# EAGLE board working (EAGLE 9.6.2), part 2 of 28 (continued)
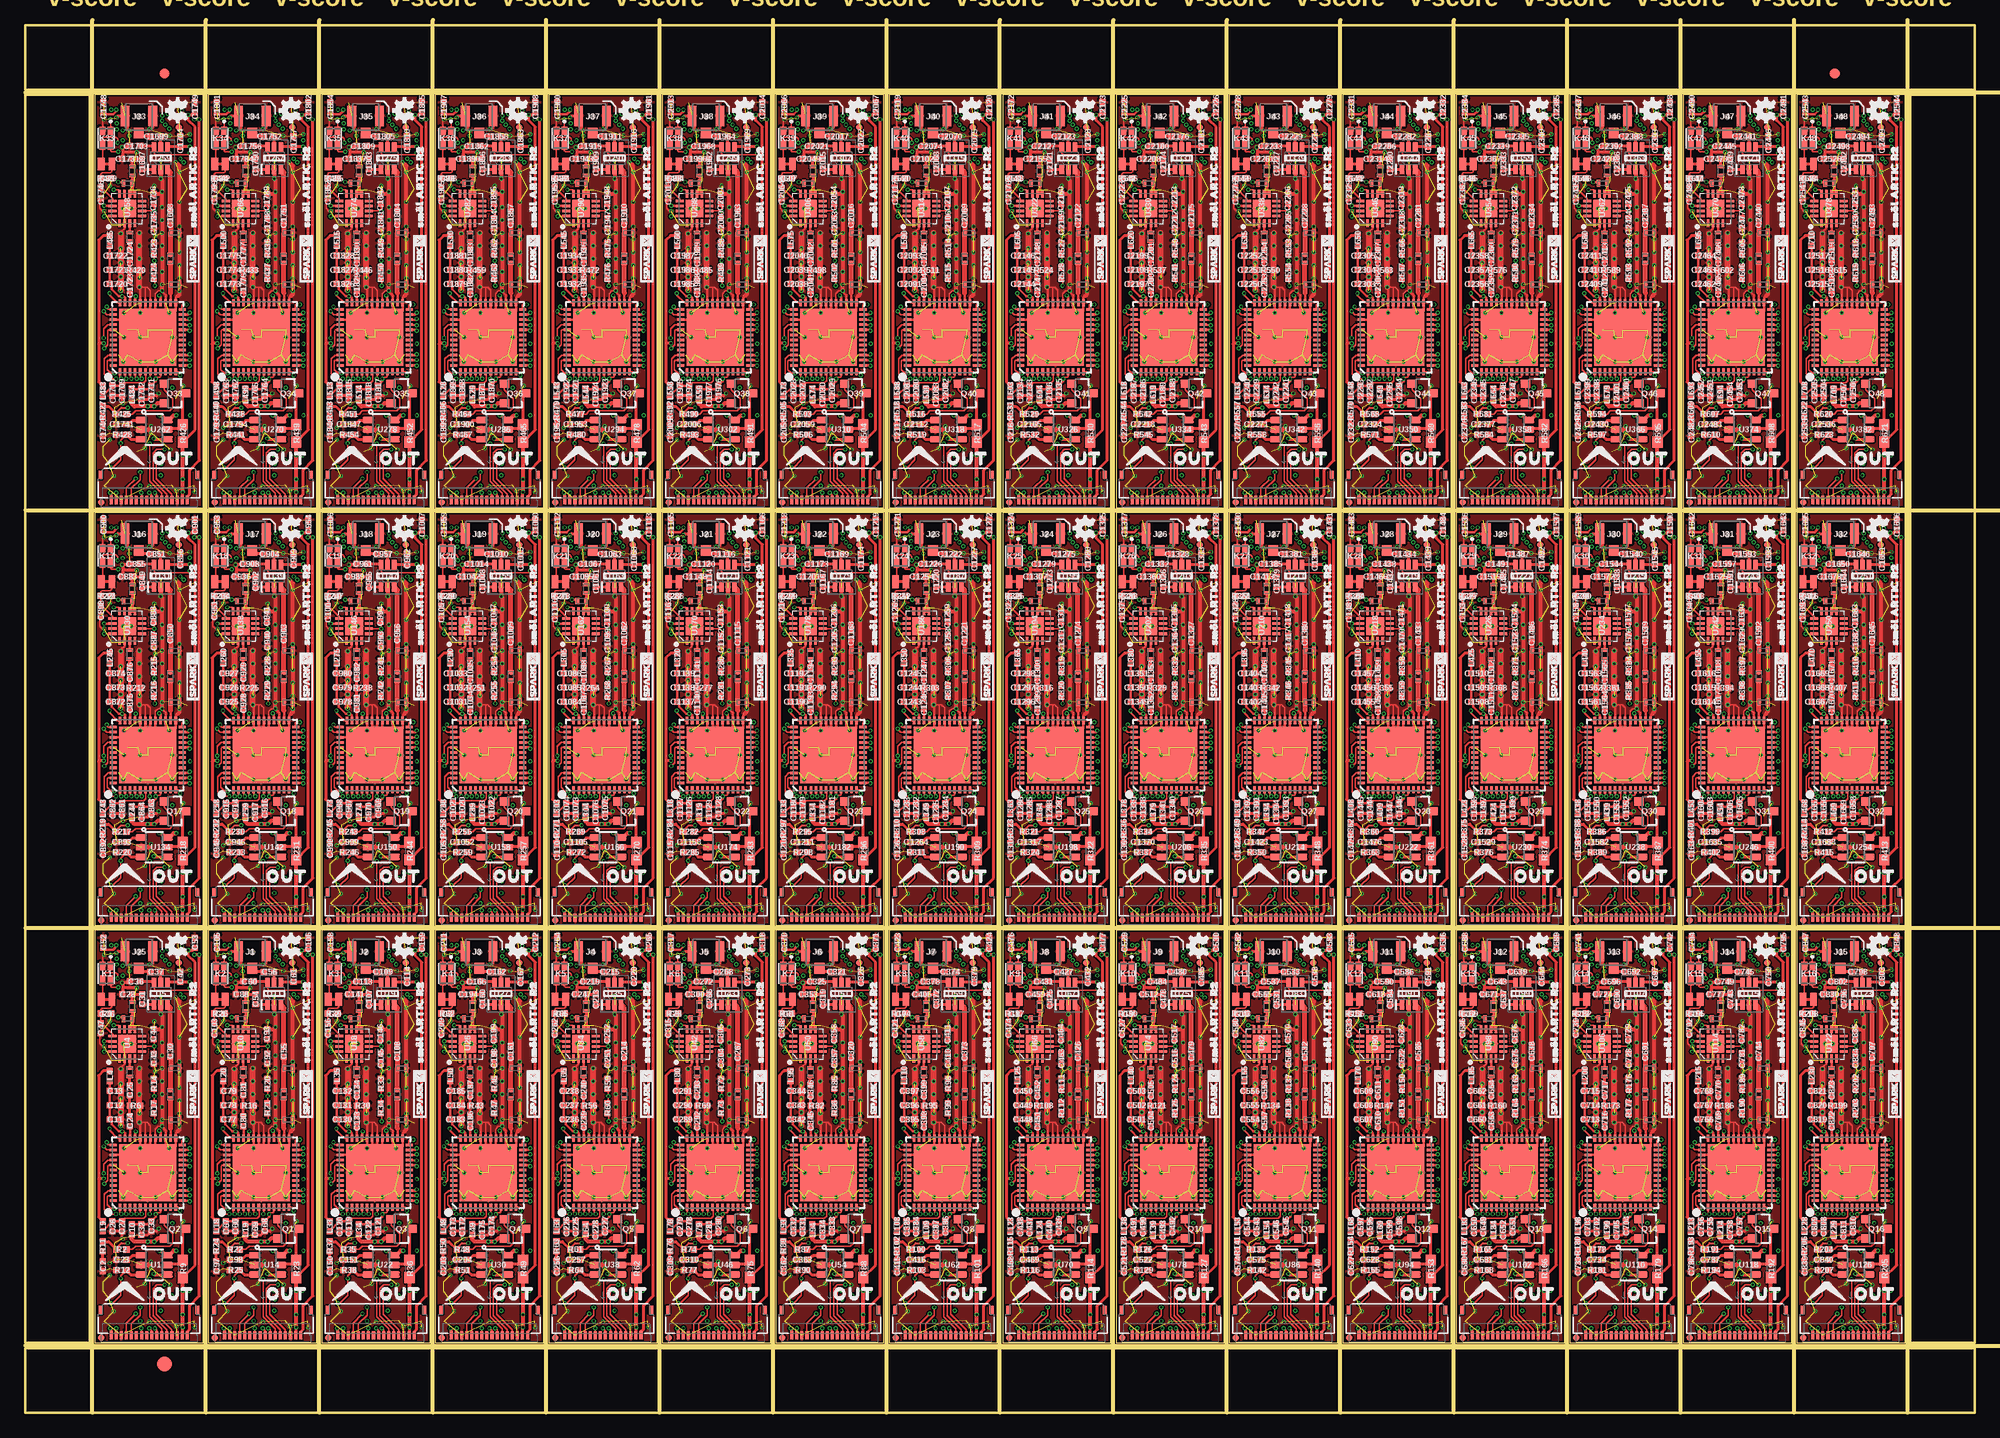
[diagram p0: board, top side]
## Placement (x,y rotation side) (continued)
C1369  10nF  [0402-TIGHT]  108.2,55.56 270 top
C1370  1.0uF  [0402-TIGHT]  110.05,56.2 180 top
C1371  2.2uF  [0402-TIGHT]  108.78,53.09 0 bottom
C1372  0.1uF  [0402-TIGHT]  110.49,55.75 90 bottom
C1373  1.0uF  [0402-TIGHT]  117.48,81.34 90 bottom
C1374  0.1uF  [0402-TIGHT]  115.82,58.74 0 bottom
C1375  100pF  [0402-TIGHT]  108.01,78.99 90 top
C1376  0.1uF  [0402-TIGHT]  111.06,53.53 180 bottom
C1377  2.2uF  [0402-TIGHT]  108.27,87.44 90 top
C1378  2.2uF  [0402-TIGHT]  117.28,87.44 90 top
C1379  100pF  [0402-TIGHT]  123.25,81.85 90 top
C1380  100pF  [0402-TIGHT]  126.05,76.71 270 top
C1381  100pF  [0402-TIGHT]  124.59,84.58 0 top
C1382  1.0uF  [0402-TIGHT]  120.02,57.85 180 bottom
C1383  1.0uF  [0402-TIGHT]  119.95,54.04 0 bottom
C1384  2.2uF  [0402-TIGHT]  120.02,50.16 0 bottom
C1385  100pF  [0402-TIGHT]  122.56,83.63 180 top
C1386  100pF  [0402-TIGHT]  127,84.07 90 top
C1387  22pF  [0402-TIGHT]  127.7,69.15 90 bottom
C1388  0.1uF  [0402-TIGHT]  125.98,69.53 90 bottom
C1389  22pF  [0402-TIGHT]  125.35,65.98 270 bottom
C1390  0.1uF  [0402-TIGHT]  126.3,65.98 270 bottom
C1391  22pF  [0402-TIGHT]  121.29,59.5 270 top
C1392  0.1uF  [0402-TIGHT]  120.33,59.5 270 top
C1393  22pF  [0402-TIGHT]  124.14,59.5 270 top
C1394  0.1uF  [0402-TIGHT]  123.19,59.18 270 top
C1395  22pF  [0402-TIGHT]  122.17,68.01 180 bottom
C1396  0.1uF  [0402-TIGHT]  120.08,68.45 0 bottom
C1397  22pF  [0402-TIGHT]  120.9,63.56 270 bottom
C1398  0.1uF  [0402-TIGHT]  121.86,63.56 270 bottom
C1399  1.0uF  [0402-TIGHT]  123.83,65.98 270 bottom
C1400  47nF  [0402-TIGHT]  122.87,65.98 270 bottom
C1401  1.0nF  [0402-TIGHT]  119.44,66.13 90 bottom
C1402  100pF  [0402-TIGHT]  120.59,70.04 0 top
C1403  1.0uF  [0402-TIGHT]  120.59,71.44 0 top
C1404  10uF  [0402-TIGHT]  120.59,72.83 0 top
C1405  100pF  [0402-TIGHT]  122.05,69.85 90 top
C1406  100pF  [0402-TIGHT]  122.05,72.9 90 top
C1407  100pF  [0402-TIGHT]  120.02,81.15 180 bottom
C1408  100pF  [0402-TIGHT]  120.33,76.33 90 bottom
C1409  2.2uF  [0402-TIGHT]  121.29,76.33 90 bottom
C1410  22pF  [0402-TIGHT]  122.11,78.74 90 bottom
C1411  2.2uF  [0402-TIGHT]  123.06,78.74 90 bottom
C1412  2.4 pF  [0402_MURATA]  126.05,72.52 90 top
C1413  9.1pF  [0402-TIGHT]  121.79,82.36 0 top
C1414  100pF  [0402-TIGHT]  122.05,80.2 180 bottom
C1415  2.2uF  [0402-TIGHT]  122.05,81.15 180 bottom
C1416  10uF  [0402-TIGHT]  122.05,82.11 180 bottom
C1417  100pF  [0402-TIGHT]  124.4,76.01 90 top
C1418  2.2uF  [0402-TIGHT]  124.4,78.42 90 top
C1419  22pF  [0402-TIGHT]  126.75,63.56 270 bottom
C1420  0.1uF  [0402-TIGHT]  125.79,63.56 270 bottom
C1421  2.2uF  [0402-TIGHT]  127.89,50.16 180 bottom
C1422  10nF  [0402-TIGHT]  119.38,55.56 270 top
C1423  1.0uF  [0402-TIGHT]  121.22,56.2 180 top
C1424  2.2uF  [0402-TIGHT]  119.95,53.09 0 bottom
C1425  0.1uF  [0402-TIGHT]  121.67,55.75 90 bottom
C1426  1.0uF  [0402-TIGHT]  128.65,81.34 90 bottom
C1427  0.1uF  [0402-TIGHT]  127,58.74 0 bottom
C1428  100pF  [0402-TIGHT]  119.19,78.99 90 top
C1429  0.1uF  [0402-TIGHT]  122.24,53.53 180 bottom
C1430  2.2uF  [0402-TIGHT]  119.44,87.44 90 top
C1431  2.2uF  [0402-TIGHT]  128.46,87.44 90 top
C1432  100pF  [0402-TIGHT]  134.43,81.85 90 top
C1433  100pF  [0402-TIGHT]  137.22,76.71 270 top
C1434  100pF  [0402-TIGHT]  135.76,84.58 0 top
C1435  1.0uF  [0402-TIGHT]  131.19,57.85 180 bottom
C1436  1.0uF  [0402-TIGHT]  131.13,54.04 0 bottom
C1437  2.2uF  [0402-TIGHT]  131.19,50.16 0 bottom
C1438  100pF  [0402-TIGHT]  133.73,83.63 180 top
C1439  100pF  [0402-TIGHT]  138.18,84.07 90 top
C1440  22pF  [0402-TIGHT]  138.87,69.15 90 bottom
C1441  0.1uF  [0402-TIGHT]  137.16,69.53 90 bottom
C1442  22pF  [0402-TIGHT]  136.53,65.98 270 bottom
C1443  0.1uF  [0402-TIGHT]  137.48,65.98 270 bottom
C1444  22pF  [0402-TIGHT]  132.46,59.5 270 top
C1445  0.1uF  [0402-TIGHT]  131.51,59.5 270 top
C1446  22pF  [0402-TIGHT]  135.32,59.5 270 top
C1447  0.1uF  [0402-TIGHT]  134.37,59.18 270 top
C1448  22pF  [0402-TIGHT]  133.35,68.01 180 bottom
C1449  0.1uF  [0402-TIGHT]  131.25,68.45 0 bottom
C1450  22pF  [0402-TIGHT]  132.08,63.56 270 bottom
C1451  0.1uF  [0402-TIGHT]  133.03,63.56 270 bottom
C1452  1.0uF  [0402-TIGHT]  135,65.98 270 bottom
C1453  47nF  [0402-TIGHT]  134.05,65.98 270 bottom
C1454  1.0nF  [0402-TIGHT]  130.62,66.13 90 bottom
C1455  100pF  [0402-TIGHT]  131.76,70.04 0 top
C1456  1.0uF  [0402-TIGHT]  131.76,71.44 0 top
C1457  10uF  [0402-TIGHT]  131.76,72.83 0 top
C1458  100pF  [0402-TIGHT]  133.22,69.85 90 top
C1459  100pF  [0402-TIGHT]  133.22,72.9 90 top
C1460  100pF  [0402-TIGHT]  131.19,81.15 180 bottom
C1461  100pF  [0402-TIGHT]  131.51,76.33 90 bottom
C1462  2.2uF  [0402-TIGHT]  132.46,76.33 90 bottom
C1463  22pF  [0402-TIGHT]  133.29,78.74 90 bottom
C1464  2.2uF  [0402-TIGHT]  134.24,78.74 90 bottom
C1465  2.4 pF  [0402_MURATA]  137.22,72.52 90 top
C1466  9.1pF  [0402-TIGHT]  132.97,82.36 0 top
C1467  100pF  [0402-TIGHT]  133.22,80.2 180 bottom
C1468  2.2uF  [0402-TIGHT]  133.22,81.15 180 bottom
C1469  10uF  [0402-TIGHT]  133.22,82.11 180 bottom
C1470  100pF  [0402-TIGHT]  135.57,76.01 90 top
C1471  2.2uF  [0402-TIGHT]  135.57,78.42 90 top
C1472  22pF  [0402-TIGHT]  137.92,63.56 270 bottom
C1473  0.1uF  [0402-TIGHT]  136.97,63.56 270 bottom
C1474  2.2uF  [0402-TIGHT]  139.06,50.16 180 bottom
C1475  10nF  [0402-TIGHT]  130.56,55.56 270 top
C1476  1.0uF  [0402-TIGHT]  132.4,56.2 180 top
C1477  2.2uF  [0402-TIGHT]  131.13,53.09 0 bottom
C1478  0.1uF  [0402-TIGHT]  132.84,55.75 90 bottom
C1479  1.0uF  [0402-TIGHT]  139.83,81.34 90 bottom
C1480  0.1uF  [0402-TIGHT]  138.18,58.74 0 bottom
C1481  100pF  [0402-TIGHT]  130.37,78.99 90 top
C1482  0.1uF  [0402-TIGHT]  133.41,53.53 180 bottom
C1483  2.2uF  [0402-TIGHT]  130.62,87.44 90 top
C1484  2.2uF  [0402-TIGHT]  139.64,87.44 90 top
C1485  100pF  [0402-TIGHT]  145.61,81.85 90 top
C1486  100pF  [0402-TIGHT]  148.4,76.71 270 top
C1487  100pF  [0402-TIGHT]  146.94,84.58 0 top
C1488  1.0uF  [0402-TIGHT]  142.37,57.85 180 bottom
C1489  1.0uF  [0402-TIGHT]  142.3,54.04 0 bottom
C1490  2.2uF  [0402-TIGHT]  142.37,50.16 0 bottom
C1491  100pF  [0402-TIGHT]  144.91,83.63 180 top
C1492  100pF  [0402-TIGHT]  149.35,84.07 90 top
C1493  22pF  [0402-TIGHT]  150.05,69.15 90 bottom
C1494  0.1uF  [0402-TIGHT]  148.34,69.53 90 bottom
C1495  22pF  [0402-TIGHT]  147.7,65.98 270 bottom
C1496  0.1uF  [0402-TIGHT]  148.65,65.98 270 bottom
C1497  22pF  [0402-TIGHT]  143.64,59.5 270 top
C1498  0.1uF  [0402-TIGHT]  142.68,59.5 270 top
C1499  22pF  [0402-TIGHT]  146.49,59.5 270 top
C1500  0.1uF  [0402-TIGHT]  145.54,59.18 270 top
C1501  22pF  [0402-TIGHT]  144.53,68.01 180 bottom
C1502  0.1uF  [0402-TIGHT]  142.43,68.45 0 bottom
C1503  22pF  [0402-TIGHT]  143.26,63.56 270 bottom
C1504  0.1uF  [0402-TIGHT]  144.21,63.56 270 bottom
C1505  1.0uF  [0402-TIGHT]  146.18,65.98 270 bottom
C1506  47nF  [0402-TIGHT]  145.22,65.98 270 bottom
C1507  1.0nF  [0402-TIGHT]  141.8,66.13 90 bottom
C1508  100pF  [0402-TIGHT]  142.94,70.04 0 top
C1509  1.0uF  [0402-TIGHT]  142.94,71.44 0 top
C1510  10uF  [0402-TIGHT]  142.94,72.83 0 top
C1511  100pF  [0402-TIGHT]  144.4,69.85 90 top
C1512  100pF  [0402-TIGHT]  144.4,72.9 90 top
C1513  100pF  [0402-TIGHT]  142.37,81.15 180 bottom
C1514  100pF  [0402-TIGHT]  142.68,76.33 90 bottom
C1515  2.2uF  [0402-TIGHT]  143.64,76.33 90 bottom
C1516  22pF  [0402-TIGHT]  144.46,78.74 90 bottom
C1517  2.2uF  [0402-TIGHT]  145.41,78.74 90 bottom
C1518  2.4 pF  [0402_MURATA]  148.4,72.52 90 top
C1519  9.1pF  [0402-TIGHT]  144.15,82.36 0 top
C1520  100pF  [0402-TIGHT]  144.4,80.2 180 bottom
C1521  2.2uF  [0402-TIGHT]  144.4,81.15 180 bottom
C1522  10uF  [0402-TIGHT]  144.4,82.11 180 bottom
C1523  100pF  [0402-TIGHT]  146.75,76.01 90 top
C1524  2.2uF  [0402-TIGHT]  146.75,78.42 90 top
C1525  22pF  [0402-TIGHT]  149.1,63.56 270 bottom
C1526  0.1uF  [0402-TIGHT]  148.15,63.56 270 bottom
C1527  2.2uF  [0402-TIGHT]  150.24,50.16 180 bottom
C1528  10nF  [0402-TIGHT]  141.73,55.56 270 top
C1529  1.0uF  [0402-TIGHT]  143.57,56.2 180 top
C1530  2.2uF  [0402-TIGHT]  142.3,53.09 0 bottom
C1531  0.1uF  [0402-TIGHT]  144.02,55.75 90 bottom
C1532  1.0uF  [0402-TIGHT]  151,81.34 90 bottom
C1533  0.1uF  [0402-TIGHT]  149.35,58.74 0 bottom
C1534  100pF  [0402-TIGHT]  141.54,78.99 90 top
C1535  0.1uF  [0402-TIGHT]  144.59,53.53 180 bottom
C1536  2.2uF  [0402-TIGHT]  141.8,87.44 90 top
C1537  2.2uF  [0402-TIGHT]  150.81,87.44 90 top
C1538  100pF  [0402-TIGHT]  156.78,81.85 90 top
C1539  100pF  [0402-TIGHT]  159.58,76.71 270 top
C1540  100pF  [0402-TIGHT]  158.12,84.58 0 top
C1541  1.0uF  [0402-TIGHT]  153.54,57.85 180 bottom
C1542  1.0uF  [0402-TIGHT]  153.48,54.04 0 bottom
C1543  2.2uF  [0402-TIGHT]  153.54,50.16 0 bottom
C1544  100pF  [0402-TIGHT]  156.08,83.63 180 top
C1545  100pF  [0402-TIGHT]  160.53,84.07 90 top
C1546  22pF  [0402-TIGHT]  161.23,69.15 90 bottom
C1547  0.1uF  [0402-TIGHT]  159.51,69.53 90 bottom
C1548  22pF  [0402-TIGHT]  158.88,65.98 270 bottom
C1549  0.1uF  [0402-TIGHT]  159.83,65.98 270 bottom
C1550  22pF  [0402-TIGHT]  154.81,59.5 270 top
C1551  0.1uF  [0402-TIGHT]  153.86,59.5 270 top
C1552  22pF  [0402-TIGHT]  157.67,59.5 270 top
C1553  0.1uF  [0402-TIGHT]  156.72,59.18 270 top
C1554  22pF  [0402-TIGHT]  155.7,68.01 180 bottom
C1555  0.1uF  [0402-TIGHT]  153.61,68.45 0 bottom
C1556  22pF  [0402-TIGHT]  154.43,63.56 270 bottom
C1557  0.1uF  [0402-TIGHT]  155.38,63.56 270 bottom
C1558  1.0uF  [0402-TIGHT]  157.35,65.98 270 bottom
C1559  47nF  [0402-TIGHT]  156.4,65.98 270 bottom
C1560  1.0nF  [0402-TIGHT]  152.97,66.13 90 bottom
C1561  100pF  [0402-TIGHT]  154.11,70.04 0 top
C1562  1.0uF  [0402-TIGHT]  154.11,71.44 0 top
C1563  10uF  [0402-TIGHT]  154.11,72.83 0 top
C1564  100pF  [0402-TIGHT]  155.58,69.85 90 top
C1565  100pF  [0402-TIGHT]  155.58,72.9 90 top
C1566  100pF  [0402-TIGHT]  153.54,81.15 180 bottom
C1567  100pF  [0402-TIGHT]  153.86,76.33 90 bottom
C1568  2.2uF  [0402-TIGHT]  154.81,76.33 90 bottom
C1569  22pF  [0402-TIGHT]  155.64,78.74 90 bottom
C1570  2.2uF  [0402-TIGHT]  156.59,78.74 90 bottom
C1571  2.4 pF  [0402_MURATA]  159.58,72.52 90 top
C1572  9.1pF  [0402-TIGHT]  155.32,82.36 0 top
C1573  100pF  [0402-TIGHT]  155.58,80.2 180 bottom
C1574  2.2uF  [0402-TIGHT]  155.58,81.15 180 bottom
C1575  10uF  [0402-TIGHT]  155.58,82.11 180 bottom
C1576  100pF  [0402-TIGHT]  157.92,76.01 90 top
C1577  2.2uF  [0402-TIGHT]  157.92,78.42 90 top
C1578  22pF  [0402-TIGHT]  160.27,63.56 270 bottom
C1579  0.1uF  [0402-TIGHT]  159.32,63.56 270 bottom
C1580  2.2uF  [0402-TIGHT]  161.42,50.16 180 bottom
C1581  10nF  [0402-TIGHT]  152.91,55.56 270 top
C1582  1.0uF  [0402-TIGHT]  154.75,56.2 180 top
C1583  2.2uF  [0402-TIGHT]  153.48,53.09 0 bottom
C1584  0.1uF  [0402-TIGHT]  155.19,55.75 90 bottom
C1585  1.0uF  [0402-TIGHT]  162.18,81.34 90 bottom
C1586  0.1uF  [0402-TIGHT]  160.53,58.74 0 bottom
C1587  100pF  [0402-TIGHT]  152.72,78.99 90 top
C1588  0.1uF  [0402-TIGHT]  155.77,53.53 180 bottom
C1589  2.2uF  [0402-TIGHT]  152.97,87.44 90 top
C1590  2.2uF  [0402-TIGHT]  161.99,87.44 90 top
C1591  100pF  [0402-TIGHT]  167.96,81.85 90 top
C1592  100pF  [0402-TIGHT]  170.75,76.71 270 top
C1593  100pF  [0402-TIGHT]  169.29,84.58 0 top
C1594  1.0uF  [0402-TIGHT]  164.72,57.85 180 bottom
C1595  1.0uF  [0402-TIGHT]  164.66,54.04 0 bottom
C1596  2.2uF  [0402-TIGHT]  164.72,50.16 0 bottom
C1597  100pF  [0402-TIGHT]  167.26,83.63 180 top
C1598  100pF  [0402-TIGHT]  171.7,84.07 90 top
C1599  22pF  [0402-TIGHT]  172.4,69.15 90 bottom
C1600  0.1uF  [0402-TIGHT]  170.69,69.53 90 bottom
C1601  22pF  [0402-TIGHT]  170.05,65.98 270 bottom
C1602  0.1uF  [0402-TIGHT]  171.01,65.98 270 bottom
C1603  22pF  [0402-TIGHT]  165.99,59.5 270 top
C1604  0.1uF  [0402-TIGHT]  165.04,59.5 270 top
C1605  22pF  [0402-TIGHT]  168.85,59.5 270 top
C1606  0.1uF  [0402-TIGHT]  167.89,59.18 270 top
C1607  22pF  [0402-TIGHT]  166.88,68.01 180 bottom
C1608  0.1uF  [0402-TIGHT]  164.78,68.45 0 bottom
C1609  22pF  [0402-TIGHT]  165.61,63.56 270 bottom
C1610  0.1uF  [0402-TIGHT]  166.56,63.56 270 bottom
C1611  1.0uF  [0402-TIGHT]  168.53,65.98 270 bottom
C1612  47nF  [0402-TIGHT]  167.58,65.98 270 bottom
C1613  1.0nF  [0402-TIGHT]  164.15,66.13 90 bottom
C1614  100pF  [0402-TIGHT]  165.29,70.04 0 top
C1615  1.0uF  [0402-TIGHT]  165.29,71.44 0 top
C1616  10uF  [0402-TIGHT]  165.29,72.83 0 top
C1617  100pF  [0402-TIGHT]  166.75,69.85 90 top
C1618  100pF  [0402-TIGHT]  166.75,72.9 90 top
C1619  100pF  [0402-TIGHT]  164.72,81.15 180 bottom
C1620  100pF  [0402-TIGHT]  165.04,76.33 90 bottom
C1621  2.2uF  [0402-TIGHT]  165.99,76.33 90 bottom
C1622  22pF  [0402-TIGHT]  166.81,78.74 90 bottom
C1623  2.2uF  [0402-TIGHT]  167.77,78.74 90 bottom
C1624  2.4 pF  [0402_MURATA]  170.75,72.52 90 top
C1625  9.1pF  [0402-TIGHT]  166.5,82.36 0 top
C1626  100pF  [0402-TIGHT]  166.75,80.2 180 bottom
C1627  2.2uF  [0402-TIGHT]  166.75,81.15 180 bottom
C1628  10uF  [0402-TIGHT]  166.75,82.11 180 bottom
C1629  100pF  [0402-TIGHT]  169.1,76.01 90 top
C1630  2.2uF  [0402-TIGHT]  169.1,78.42 90 top
C1631  22pF  [0402-TIGHT]  171.45,63.56 270 bottom
C1632  0.1uF  [0402-TIGHT]  170.5,63.56 270 bottom
C1633  2.2uF  [0402-TIGHT]  172.59,50.16 180 bottom
C1634  10nF  [0402-TIGHT]  164.08,55.56 270 top
C1635  1.0uF  [0402-TIGHT]  165.93,56.2 180 top
C1636  2.2uF  [0402-TIGHT]  164.66,53.09 0 bottom
C1637  0.1uF  [0402-TIGHT]  166.37,55.75 90 bottom
C1638  1.0uF  [0402-TIGHT]  173.36,81.34 90 bottom
C1639  0.1uF  [0402-TIGHT]  171.7,58.74 0 bottom
C1640  100pF  [0402-TIGHT]  163.89,78.99 90 top
C1641  0.1uF  [0402-TIGHT]  166.94,53.53 180 bottom
C1642  2.2uF  [0402-TIGHT]  164.15,87.44 90 top
C1643  2.2uF  [0402-TIGHT]  173.16,87.44 90 top
C1644  100pF  [0402-TIGHT]  179.13,81.85 90 top
C1645  100pF  [0402-TIGHT]  181.93,76.71 270 top
C1646  100pF  [0402-TIGHT]  180.47,84.58 0 top
C1647  1.0uF  [0402-TIGHT]  175.9,57.85 180 bottom
C1648  1.0uF  [0402-TIGHT]  175.83,54.04 0 bottom
C1649  2.2uF  [0402-TIGHT]  175.9,50.16 0 bottom
C1650  100pF  [0402-TIGHT]  178.44,83.63 180 top
C1651  100pF  [0402-TIGHT]  182.88,84.07 90 top
C1652  22pF  [0402-TIGHT]  183.58,69.15 90 bottom
C1653  0.1uF  [0402-TIGHT]  181.86,69.53 90 bottom
C1654  22pF  [0402-TIGHT]  181.23,65.98 270 bottom
C1655  0.1uF  [0402-TIGHT]  182.18,65.98 270 bottom
C1656  22pF  [0402-TIGHT]  177.16,59.5 270 top
C1657  0.1uF  [0402-TIGHT]  176.21,59.5 270 top
C1658  22pF  [0402-TIGHT]  180.02,59.5 270 top
C1659  0.1uF  [0402-TIGHT]  179.07,59.18 270 top
C1660  22pF  [0402-TIGHT]  178.05,68.01 180 bottom
C1661  0.1uF  [0402-TIGHT]  175.96,68.45 0 bottom
C1662  22pF  [0402-TIGHT]  176.78,63.56 270 bottom
C1663  0.1uF  [0402-TIGHT]  177.74,63.56 270 bottom
C1664  1.0uF  [0402-TIGHT]  179.71,65.98 270 bottom
C1665  47nF  [0402-TIGHT]  178.75,65.98 270 bottom
C1666  1.0nF  [0402-TIGHT]  175.32,66.13 90 bottom
C1667  100pF  [0402-TIGHT]  176.47,70.04 0 top
C1668  1.0uF  [0402-TIGHT]  176.47,71.44 0 top
C1669  10uF  [0402-TIGHT]  176.47,72.83 0 top
C1670  100pF  [0402-TIGHT]  177.93,69.85 90 top
C1671  100pF  [0402-TIGHT]  177.93,72.9 90 top
C1672  100pF  [0402-TIGHT]  175.9,81.15 180 bottom
C1673  100pF  [0402-TIGHT]  176.21,76.33 90 bottom
C1674  2.2uF  [0402-TIGHT]  177.16,76.33 90 bottom
C1675  22pF  [0402-TIGHT]  177.99,78.74 90 bottom
C1676  2.2uF  [0402-TIGHT]  178.94,78.74 90 bottom
C1677  2.4 pF  [0402_MURATA]  181.93,72.52 90 top
C1678  9.1pF  [0402-TIGHT]  177.67,82.36 0 top
C1679  100pF  [0402-TIGHT]  177.93,80.2 180 bottom
C1680  2.2uF  [0402-TIGHT]  177.93,81.15 180 bottom
C1681  10uF  [0402-TIGHT]  177.93,82.11 180 bottom
C1682  100pF  [0402-TIGHT]  180.28,76.01 90 top
C1683  2.2uF  [0402-TIGHT]  180.28,78.42 90 top
C1684  22pF  [0402-TIGHT]  182.63,63.56 270 bottom
C1685  0.1uF  [0402-TIGHT]  181.67,63.56 270 bottom
C1686  2.2uF  [0402-TIGHT]  183.77,50.16 180 bottom
C1687  10nF  [0402-TIGHT]  175.26,55.56 270 top
C1688  1.0uF  [0402-TIGHT]  177.1,56.2 180 top
C1689  2.2uF  [0402-TIGHT]  175.83,53.09 0 bottom
C1690  0.1uF  [0402-TIGHT]  177.55,55.75 90 bottom
C1691  1.0uF  [0402-TIGHT]  184.53,81.34 90 bottom
C1692  0.1uF  [0402-TIGHT]  182.88,58.74 0 bottom
C1693  100pF  [0402-TIGHT]  175.07,78.99 90 top
C1694  0.1uF  [0402-TIGHT]  178.12,53.53 180 bottom
C1695  2.2uF  [0402-TIGHT]  175.32,87.44 90 top
C1696  2.2uF  [0402-TIGHT]  184.34,87.44 90 top
C1697  100pF  [0402-TIGHT]  11.49,123 90 top
C1698  100pF  [0402-TIGHT]  14.29,117.86 270 top
C1699  100pF  [0402-TIGHT]  12.83,125.73 0 top
C1700  1.0uF  [0402-TIGHT]  8.25,99 180 bottom
C1701  1.0uF  [0402-TIGHT]  8.19,95.19 0 bottom
C1702  2.2uF  [0402-TIGHT]  8.25,91.31 0 bottom
C1703  100pF  [0402-TIGHT]  10.79,124.78 180 top
C1704  100pF  [0402-TIGHT]  15.24,125.22 90 top
C1705  22pF  [0402-TIGHT]  15.94,110.3 90 bottom
C1706  0.1uF  [0402-TIGHT]  14.22,110.68 90 bottom
C1707  22pF  [0402-TIGHT]  13.59,107.12 270 bottom
C1708  0.1uF  [0402-TIGHT]  14.54,107.12 270 bottom
C1709  22pF  [0402-TIGHT]  9.52,100.65 270 top
C1710  0.1uF  [0402-TIGHT]  8.57,100.65 270 top
C1711  22pF  [0402-TIGHT]  12.38,100.65 270 top
C1712  0.1uF  [0402-TIGHT]  11.43,100.33 270 top
C1713  22pF  [0402-TIGHT]  10.41,109.16 180 bottom
C1714  0.1uF  [0402-TIGHT]  8.32,109.6 0 bottom
C1715  22pF  [0402-TIGHT]  9.14,104.71 270 bottom
C1716  0.1uF  [0402-TIGHT]  10.1,104.71 270 bottom
C1717  1.0uF  [0402-TIGHT]  12.06,107.12 270 bottom
C1718  47nF  [0402-TIGHT]  11.11,107.12 270 bottom
C1719  1.0nF  [0402-TIGHT]  7.68,107.28 90 bottom
C1720  100pF  [0402-TIGHT]  8.83,111.19 0 top
C1721  1.0uF  [0402-TIGHT]  8.83,112.59 0 top
C1722  10uF  [0402-TIGHT]  8.83,113.98 0 top
C1723  100pF  [0402-TIGHT]  10.29,111 90 top
C1724  100pF  [0402-TIGHT]  10.29,114.05 90 top
C1725  100pF  [0402-TIGHT]  8.25,122.3 180 bottom
C1726  100pF  [0402-TIGHT]  8.57,117.48 90 bottom
C1727  2.2uF  [0402-TIGHT]  9.52,117.48 90 bottom
C1728  22pF  [0402-TIGHT]  10.35,119.89 90 bottom
C1729  2.2uF  [0402-TIGHT]  11.3,119.89 90 bottom
C1730  2.4 pF  [0402_MURATA]  14.29,113.67 90 top
C1731  9.1pF  [0402-TIGHT]  10.03,123.51 0 top
C1732  100pF  [0402-TIGHT]  10.29,121.35 180 bottom
C1733  2.2uF  [0402-TIGHT]  10.29,122.3 180 bottom
C1734  10uF  [0402-TIGHT]  10.29,123.25 180 bottom
C1735  100pF  [0402-TIGHT]  12.64,117.16 90 top
C1736  2.2uF  [0402-TIGHT]  12.64,119.57 90 top
C1737  22pF  [0402-TIGHT]  14.99,104.71 270 bottom
C1738  0.1uF  [0402-TIGHT]  14.03,104.71 270 bottom
C1739  2.2uF  [0402-TIGHT]  16.13,91.31 180 bottom
C1740  10nF  [0402-TIGHT]  7.62,96.71 270 top
C1741  1.0uF  [0402-TIGHT]  9.46,97.35 180 top
C1742  2.2uF  [0402-TIGHT]  8.19,94.23 0 bottom
C1743  0.1uF  [0402-TIGHT]  9.91,96.9 90 bottom
C1744  1.0uF  [0402-TIGHT]  16.89,122.49 90 bottom
C1745  0.1uF  [0402-TIGHT]  15.24,99.89 0 bottom
C1746  100pF  [0402-TIGHT]  7.43,120.14 90 top
C1747  0.1uF  [0402-TIGHT]  10.48,94.68 180 bottom
C1748  2.2uF  [0402-TIGHT]  7.68,128.59 90 top
C1749  2.2uF  [0402-TIGHT]  16.7,128.59 90 top
C1750  100pF  [0402-TIGHT]  22.67,123 90 top
C1751  100pF  [0402-TIGHT]  25.46,117.86 270 top
C1752  100pF  [0402-TIGHT]  24,125.73 0 top
C1753  1.0uF  [0402-TIGHT]  19.43,99 180 bottom
C1754  1.0uF  [0402-TIGHT]  19.37,95.19 0 bottom
C1755  2.2uF  [0402-TIGHT]  19.43,91.31 0 bottom
C1756  100pF  [0402-TIGHT]  21.97,124.78 180 top
C1757  100pF  [0402-TIGHT]  26.42,125.22 90 top
C1758  22pF  [0402-TIGHT]  27.11,110.3 90 bottom
C1759  0.1uF  [0402-TIGHT]  25.4,110.68 90 bottom
C1760  22pF  [0402-TIGHT]  24.77,107.12 270 bottom
C1761  0.1uF  [0402-TIGHT]  25.72,107.12 270 bottom
C1762  22pF  [0402-TIGHT]  20.7,100.65 270 top
C1763  0.1uF  [0402-TIGHT]  19.75,100.65 270 top
C1764  22pF  [0402-TIGHT]  23.56,100.65 270 top
C1765  0.1uF  [0402-TIGHT]  22.61,100.33 270 top
C1766  22pF  [0402-TIGHT]  21.59,109.16 180 bottom
C1767  0.1uF  [0402-TIGHT]  19.49,109.6 0 bottom
C1768  22pF  [0402-TIGHT]  20.32,104.71 270 bottom
C1769  0.1uF  [0402-TIGHT]  21.27,104.71 270 bottom
C1770  1.0uF  [0402-TIGHT]  23.24,107.12 270 bottom
C1771  47nF  [0402-TIGHT]  22.29,107.12 270 bottom
C1772  1.0nF  [0402-TIGHT]  18.86,107.28 90 bottom
C1773  100pF  [0402-TIGHT]  20,111.19 0 top
C1774  1.0uF  [0402-TIGHT]  20,112.59 0 top
C1775  10uF  [0402-TIGHT]  20,113.98 0 top
C1776  100pF  [0402-TIGHT]  21.46,111 90 top
C1777  100pF  [0402-TIGHT]  21.46,114.05 90 top
C1778  100pF  [0402-TIGHT]  19.43,122.3 180 bottom
C1779  100pF  [0402-TIGHT]  19.75,117.48 90 bottom
C1780  2.2uF  [0402-TIGHT]  20.7,117.48 90 bottom
C1781  22pF  [0402-TIGHT]  21.53,119.89 90 bottom
C1782  2.2uF  [0402-TIGHT]  22.48,119.89 90 bottom
C1783  2.4 pF  [0402_MURATA]  25.46,113.67 90 top
C1784  9.1pF  [0402-TIGHT]  21.21,123.51 0 top
C1785  100pF  [0402-TIGHT]  21.46,121.35 180 bottom
C1786  2.2uF  [0402-TIGHT]  21.46,122.3 180 bottom
C1787  10uF  [0402-TIGHT]  21.46,123.25 180 bottom
C1788  100pF  [0402-TIGHT]  23.81,117.16 90 top
C1789  2.2uF  [0402-TIGHT]  23.81,119.57 90 top
C1790  22pF  [0402-TIGHT]  26.16,104.71 270 bottom
C1791  0.1uF  [0402-TIGHT]  25.21,104.71 270 bottom
C1792  2.2uF  [0402-TIGHT]  27.3,91.31 180 bottom
C1793  10nF  [0402-TIGHT]  18.8,96.71 270 top
C1794  1.0uF  [0402-TIGHT]  20.64,97.35 180 top
C1795  2.2uF  [0402-TIGHT]  19.37,94.23 0 bottom
C1796  0.1uF  [0402-TIGHT]  21.08,96.9 90 bottom
C1797  1.0uF  [0402-TIGHT]  28.07,122.49 90 bottom
C1798  0.1uF  [0402-TIGHT]  26.42,99.89 0 bottom
C1799  100pF  [0402-TIGHT]  18.61,120.14 90 top
C1800  0.1uF  [0402-TIGHT]  21.65,94.68 180 bottom
C1801  2.2uF  [0402-TIGHT]  18.86,128.59 90 top
C1802  2.2uF  [0402-TIGHT]  27.88,128.59 90 top
C1803  100pF  [0402-TIGHT]  33.85,123 90 top
C1804  100pF  [0402-TIGHT]  36.64,117.86 270 top
C1805  100pF  [0402-TIGHT]  35.18,125.73 0 top
C1806  1.0uF  [0402-TIGHT]  30.61,99 180 bottom
C1807  1.0uF  [0402-TIGHT]  30.54,95.19 0 bottom
C1808  2.2uF  [0402-TIGHT]  30.61,91.31 0 bottom
C1809  100pF  [0402-TIGHT]  33.15,124.78 180 top
C1810  100pF  [0402-TIGHT]  37.59,125.22 90 top
C1811  22pF  [0402-TIGHT]  38.29,110.3 90 bottom
C1812  0.1uF  [0402-TIGHT]  36.58,110.68 90 bottom
C1813  22pF  [0402-TIGHT]  35.94,107.12 270 bottom
C1814  0.1uF  [0402-TIGHT]  36.89,107.12 270 bottom
C1815  22pF  [0402-TIGHT]  31.88,100.65 270 top
C1816  0.1uF  [0402-TIGHT]  30.92,100.65 270 top
C1817  22pF  [0402-TIGHT]  34.73,100.65 270 top
C1818  0.1uF  [0402-TIGHT]  33.78,100.33 270 top
C1819  22pF  [0402-TIGHT]  32.77,109.16 180 bottom
C1820  0.1uF  [0402-TIGHT]  30.67,109.6 0 bottom
C1821  22pF  [0402-TIGHT]  31.5,104.71 270 bottom
C1822  0.1uF  [0402-TIGHT]  32.45,104.71 270 bottom
C1823  1.0uF  [0402-TIGHT]  34.42,107.12 270 bottom
C1824  47nF  [0402-TIGHT]  33.46,107.12 270 bottom
C1825  1.0nF  [0402-TIGHT]  30.04,107.28 90 bottom
C1826  100pF  [0402-TIGHT]  31.18,111.19 0 top
C1827  1.0uF  [0402-TIGHT]  31.18,112.59 0 top
C1828  10uF  [0402-TIGHT]  31.18,113.98 0 top
C1829  100pF  [0402-TIGHT]  32.64,111 90 top
C1830  100pF  [0402-TIGHT]  32.64,114.05 90 top
C1831  100pF  [0402-TIGHT]  30.61,122.3 180 bottom
C1832  100pF  [0402-TIGHT]  30.92,117.48 90 bottom
C1833  2.2uF  [0402-TIGHT]  31.88,117.48 90 bottom
C1834  22pF  [0402-TIGHT]  32.7,119.89 90 bottom
C1835  2.2uF  [0402-TIGHT]  33.66,119.89 90 bottom
C1836  2.4 pF  [0402_MURATA]  36.64,113.67 90 top
C1837  9.1pF  [0402-TIGHT]  32.38,123.51 0 top
C1838  100pF  [0402-TIGHT]  32.64,121.35 180 bottom
C1839  2.2uF  [0402-TIGHT]  32.64,122.3 180 bottom
C1840  10uF  [0402-TIGHT]  32.64,123.25 180 bottom
C1841  100pF  [0402-TIGHT]  34.99,117.16 90 top
C1842  2.2uF  [0402-TIGHT]  34.99,119.57 90 top
C1843  22pF  [0402-TIGHT]  37.34,104.71 270 bottom
C1844  0.1uF  [0402-TIGHT]  36.39,104.71 270 bottom
C1845  2.2uF  [0402-TIGHT]  38.48,91.31 180 bottom
C1846  10nF  [0402-TIGHT]  29.97,96.71 270 top
C1847  1.0uF  [0402-TIGHT]  31.81,97.35 180 top
C1848  2.2uF  [0402-TIGHT]  30.54,94.23 0 bottom
C1849  0.1uF  [0402-TIGHT]  32.26,96.9 90 bottom
C1850  1.0uF  [0402-TIGHT]  39.24,122.49 90 bottom
C1851  0.1uF  [0402-TIGHT]  37.59,99.89 0 bottom
C1852  100pF  [0402-TIGHT]  29.78,120.14 90 top
C1853  0.1uF  [0402-TIGHT]  32.83,94.68 180 bottom
C1854  2.2uF  [0402-TIGHT]  30.04,128.59 90 top
C1855  2.2uF  [0402-TIGHT]  39.05,128.59 90 top
C1856  100pF  [0402-TIGHT]  45.02,123 90 top
C1857  100pF  [0402-TIGHT]  47.82,117.86 270 top
C1858  100pF  [0402-TIGHT]  46.35,125.73 0 top
C1859  1.0uF  [0402-TIGHT]  41.78,99 180 bottom
C1860  1.0uF  [0402-TIGHT]  41.72,95.19 0 bottom
C1861  2.2uF  [0402-TIGHT]  41.78,91.31 0 bottom
C1862  100pF  [0402-TIGHT]  44.32,124.78 180 top
C1863  100pF  [0402-TIGHT]  48.77,125.22 90 top
C1864  22pF  [0402-TIGHT]  49.47,110.3 90 bottom
C1865  0.1uF  [0402-TIGHT]  47.75,110.68 90 bottom
C1866  22pF  [0402-TIGHT]  47.12,107.12 270 bottom
C1867  0.1uF  [0402-TIGHT]  48.07,107.12 270 bottom
C1868  22pF  [0402-TIGHT]  43.05,100.65 270 top
C1869  0.1uF  [0402-TIGHT]  42.1,100.65 270 top
C1870  22pF  [0402-TIGHT]  45.91,100.65 270 top
C1871  0.1uF  [0402-TIGHT]  44.96,100.33 270 top
C1872  22pF  [0402-TIGHT]  43.94,109.16 180 bottom